# KiCad board 2000ATX.kicad_pcb (continued)
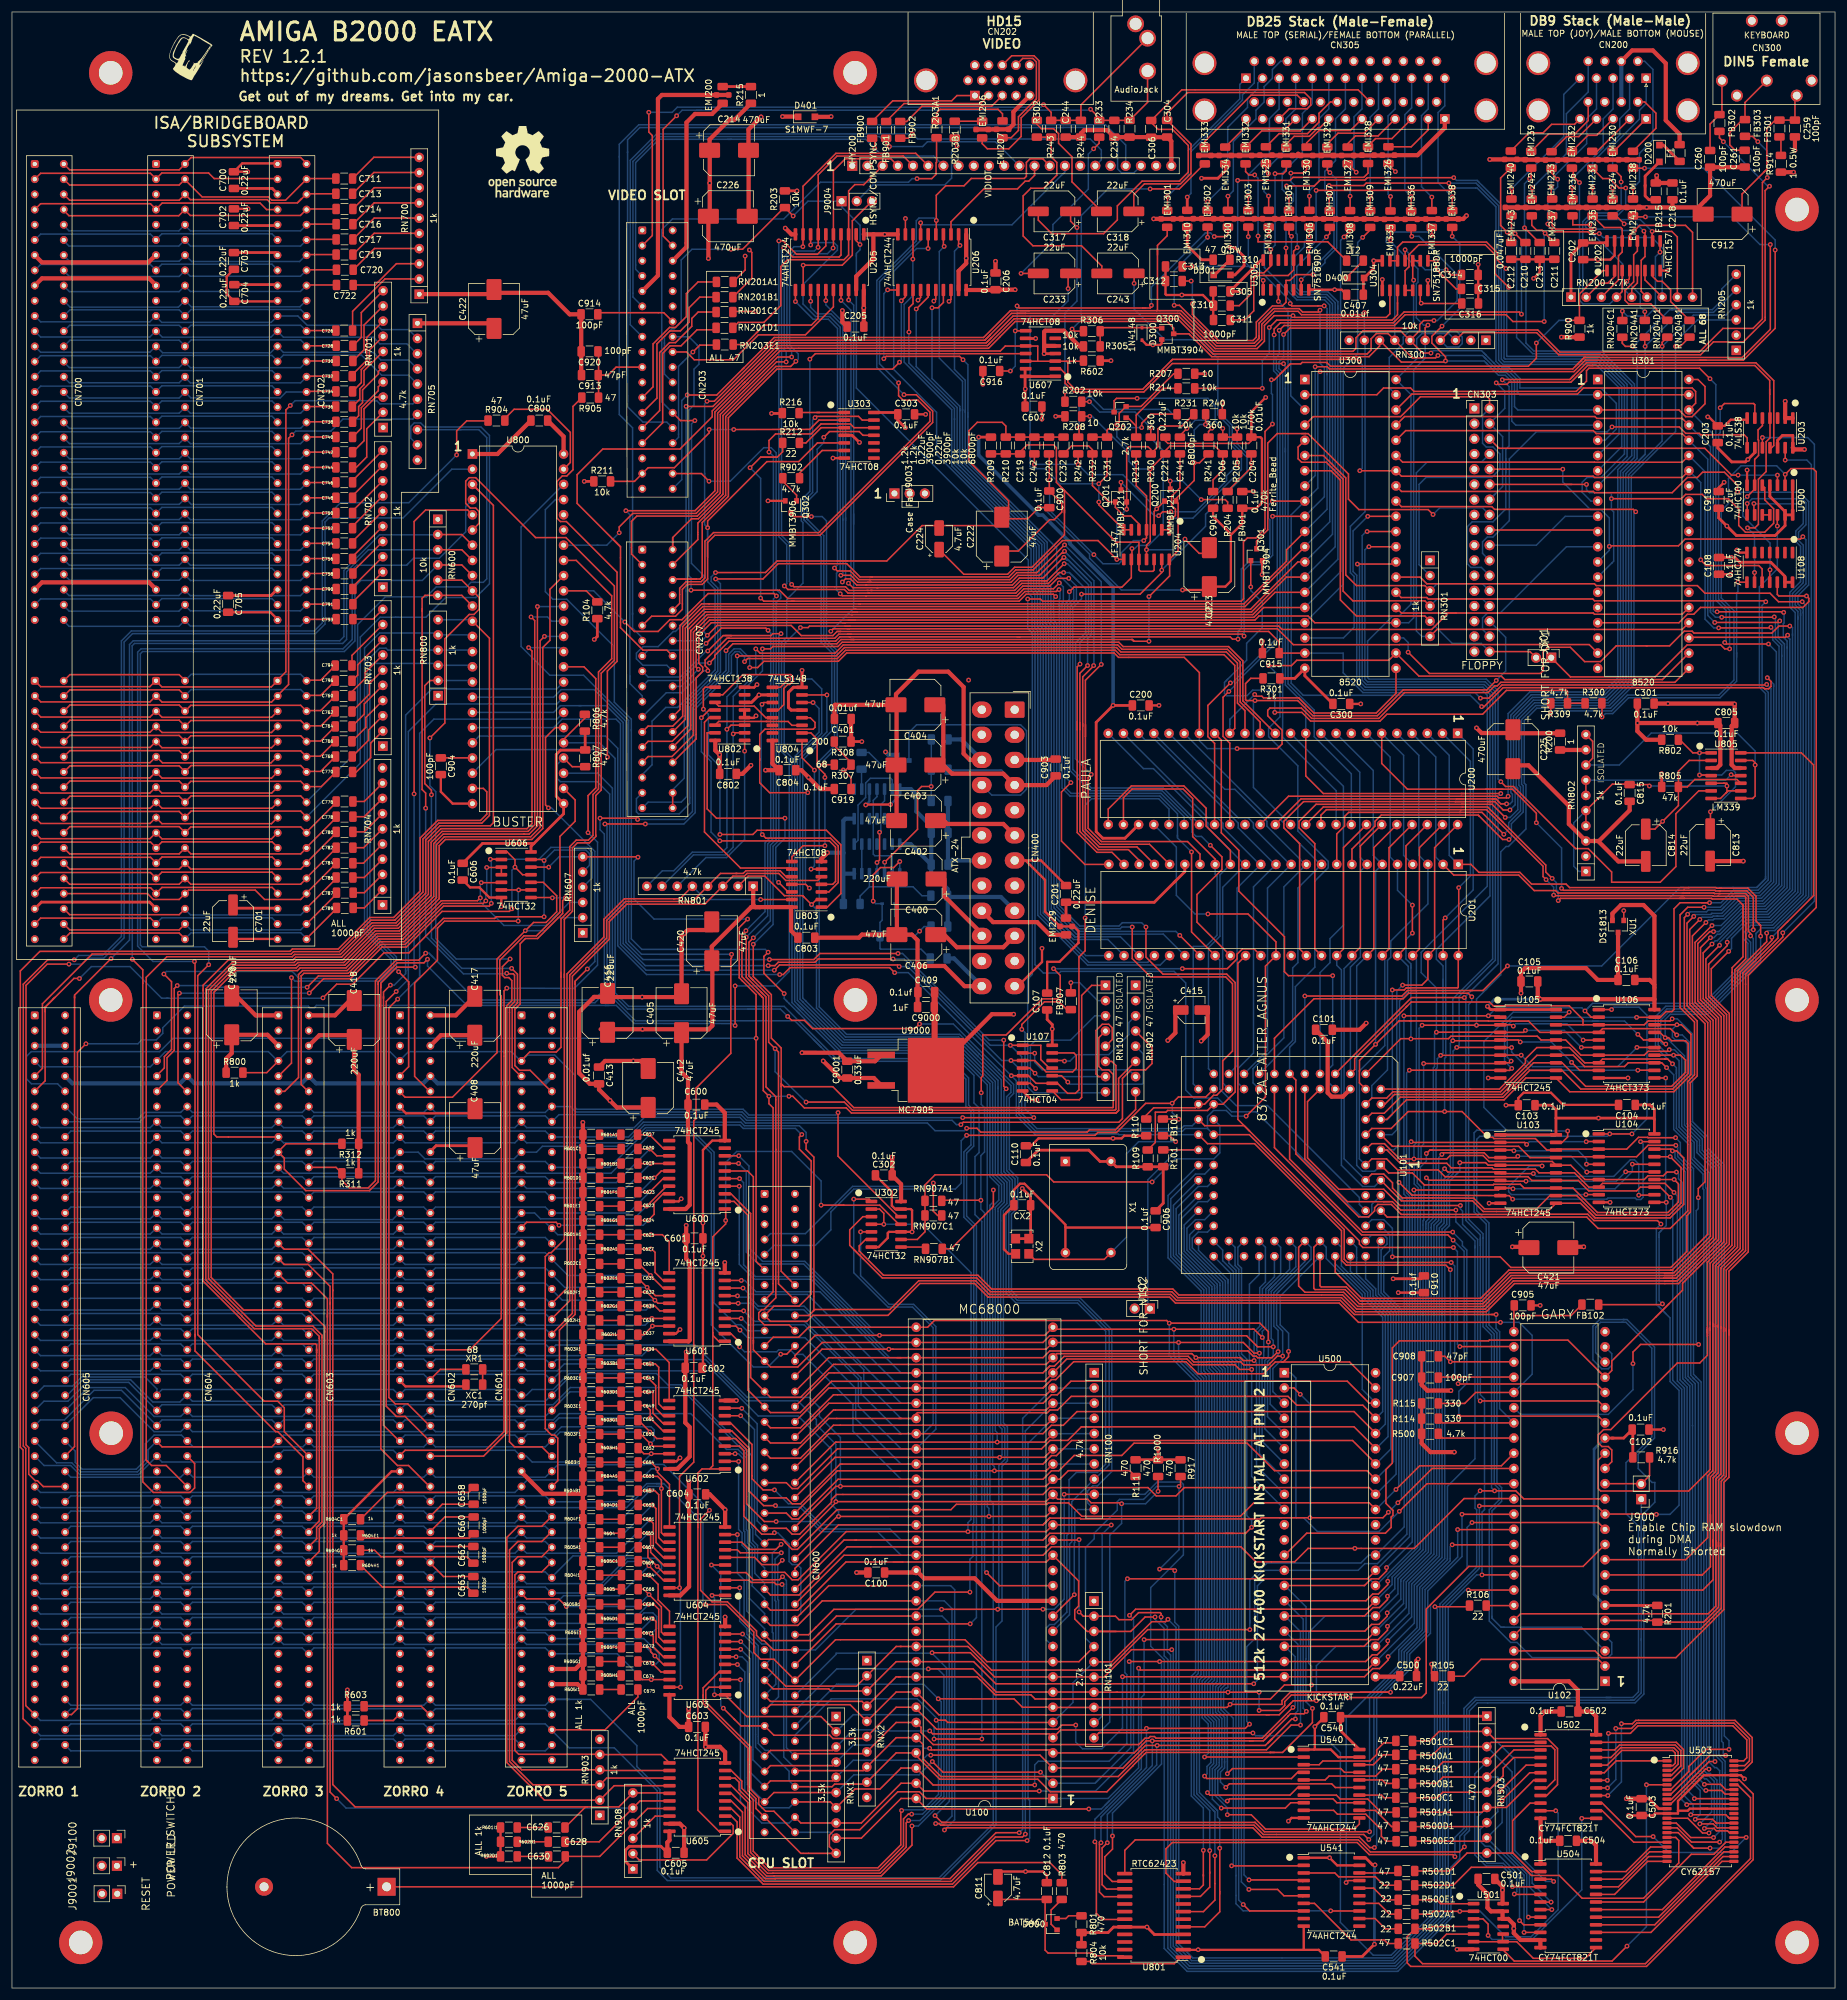
[diagram p0: board, top side]
## Routing (per net, layer and track width the routed paths; a pad name or vN(x,y) marks a point on that pad's centre or on a via; arc(x,y) is an arc through that point) (continued)
_DBOE: length 237.8
  Top w0.25: U603.19 v1(111.76,50.27) ; U604.19 v1(111.61,66.88) 111.61,85.49 113.99,87.87 113.99,144.91 114.37,145.29 114.37,150.37 120.18,156.18 120.18,172.02 120.3,172.14 v1(120.3,172.74)
  Bottom w0.25: v1(111.76,50.27) 111.76,66.73 v1(111.61,66.88) ; v1(120.3,172.74) 105.26,172.74 103.1,174.9 103.1,211.84 95.58,219.36 89.93,219.36 85.12,224.17 85.12,244.14 U800.46
_DKRD: length 86.5
  Top w0.25: v1(248.16,218.49) 246.58,216.92 232.59,216.92 228.28,212.61 217.49,212.61 214.96,215.14 v1(207.82,215.14) 206.38,215.14 206.24,215.27 206.24,217.98 207.11,218.85 R301.2
  Bottom w0.25: CN303.30 249.73,225.7 249.73,220.07 v1(248.16,218.49) ; v1(207.82,215.14) 207.56,214.88 207.56,200.62 U200.37
_DKWD: length 217
  Top w0.25: U102.9 279.83,71.58 283.51,75.26 283.51,85.6 284.36,86.46 284.36,110.58 ; 248.48,195.59 249.31,194.77 ; 248.48,195.59 256.43,187.64 256.43,186.49 v1(257.51,185.42) ; 248.48,195.59 246.72,197.35 242.46,197.35 ; 279.64,182.08 284.17,182.08 284.27,181.98 288.39,181.98 289.41,180.96 ; 279.64,182.08 278.8,182.08 ; 279.64,182.08 258.89,182.08 v1(258.52,181.71) ; 284.36,110.58 284.36,111.1 ; 284.36,110.58 284.36,120.91 287.56,124.11 287.58,168.1 ; 289.41,180.96 289.41,172.32 287.59,170.5 287.59,169.74 287.58,169.72 287.58,168.1 ; 289.41,180.96 289.41,177.7 ; 242.46,197.35 242.6,197.35 ; 242.46,197.35 219.25,197.35 U200.38 ; 287.58,168.1 287.58,168.66
  Bottom w0.25: v1(258.52,181.71) 258.52,183.23 258.21,183.54 258.21,184.72 v1(257.51,185.42)
_DTACK: length 433.5
  Top w0.25: 124.03,57.26 124.03,59.49 119.44,64.08 v1(115.93,64.08) ; 124.03,57.26 124.03,56.9 ; 124.03,57.26 124.03,56.07 125.16,54.94 127.39,54.94 CN600.66 137.69,58.2 159.34,58.2 163.01,54.53 U100.10 178.38,54.53 RN101.4 ; v1(237.91,63.72) 243.49,63.72 R106.1 ; v1(191.87,70) 194.16,70 v1(194.41,69.75) ; R917.2 195.38,84.07 v1(195.12,83.82)
  Bottom w0.25: 237.85,63.78 v1(237.91,63.72) 238.3,63.33 238.3,12.56 230.77,5.04 212.33,5.04 197.4,5.04 ; 107.77,84.28 106.12,84.28 103.09,81.25 90.14,81.25 89.16,82.23 70.8,82.23 69.82,81.25 68.84,82.23 50.48,82.23 49.5,81.25 48.52,82.23 30.16,82.23 29.18,81.25 28.2,82.23 9.84,82.23 8.86,81.25 ; 107.77,84.28 108.84,84.28 ; 107.77,84.28 108.98,84.28 115.53,77.74 115.53,64.48 v1(115.93,64.08) ; v1(191.87,70) 195.12,73.25 v1(195.12,83.82) 191.36,83.82 189.19,81.65 185.17,81.65 184.8,81.27 184.8,79.87 180.95,76.02 180.95,75.08 179.48,73.62 179.48,58.46 RN101.4 ; 197.4,5.04 195.08,7.36 195.08,60.45 194.41,61.11 v1(194.41,69.75) ; 197.4,5.04 196.3,6.14
_EBG1: length 238.1
  Top w0.25: 8.86,83.79 5.24,83.79 4.26,84.77 3.89,84.77 2.8,85.86 2.8,90.31 2.35,90.76 2.35,167.55 5.89,171.09 v1(9.53,171.09)
  Bottom w0.25: U800.2 73.53,253.8 65.4,245.66 53.03,245.66 52.34,244.97 52.34,227.93 50.73,226.32 20.15,226.32 18.75,224.92 18.75,175.49 15.35,172.09 12.65,172.09 11.65,171.09 v1(9.53,171.09)
_EBG2: length 223.3
  Top w0.25: 22.77,87.89 22.45,88.22 ; 22.45,88.22 23.35,87.31 25.79,87.31 CN604.64 ; 22.45,88.22 22.45,168.89 25.89,172.33 46.86,172.33 47.25,172.71 54.92,172.71 60.19,177.99 64.21,177.99 69.16,182.94 69.16,191.82 71.55,194.21 79.98,194.21 80.49,194.72 80.49,247.75 U800.3 78.11,250.13
_EBG3: length 232
  Top w0.25: 30.61,108.86 30.61,109.18 ; 30.61,109.18 30.61,106.45 44.08,92.97 44.44,92.97 48.65,88.77 48.65,84.77 CN603.64 ; 30.61,109.18 30.61,171.44
  Bottom w0.25: 65.97,237.75 57.65,237.75 56.88,236.98 56.88,225.32 55.34,223.78 21.57,223.78 21.01,223.22 21.01,174.11 23.58,171.54 v1(30.51,171.54) ; 65.97,237.75 67.14,238.92 71.45,238.92 75.86,243.34 75.86,247.59 U800.4 ; 65.97,237.75 66.27,238.05
_EBG4: length 181.4
  Top w0.25: 69.82,83.79 66.3,87.31 64.45,87.31 61.67,90.1 61.67,167.18 ; v1(67.23,199.54) 67.23,245.06 69.15,246.98 76.19,246.98 U800.5 ; 61.67,167.18 61.67,167.92 64.33,170.59 v1(67.44,170.59) ; 61.67,167.18 61.67,167.72
  Bottom w0.25: v1(67.23,199.54) 67.23,170.79 v1(67.44,170.59)
_EBG5: length 201.7
  Top w0.25: 92.35,168.88 92.35,169.44 ; 92.35,168.88 92.35,125.06 90.16,122.87 89.8,122.87 89.16,122.24 89.16,93.48 89.64,93.01 89.64,92.98 90.22,92.39 90.74,92.39 91.25,91.89 91.25,84.77 CN601.64 ; 92.35,168.88 92.35,178.57 93.71,179.93 93.71,190.54 94.53,191.36 96.55,191.36 97.6,192.41 97.6,192.65 ; U800.6 78.11,244.76 78.11,246.72 77.53,247.3 76.62,247.3 75.86,248.06 75.86,251.8 76.45,252.38 77.53,252.38 87.54,242.37 92.62,242.37 100.72,234.27 100.72,221.9 98.51,219.7 98.51,200.18 97.6,199.26 97.6,192.65 ; 97.6,192.65 97.6,192.45
_EBR1: length 212.8
  Top w0.25: RN600.2 75.21,242.87 U800.7 ; 8.86,88.87 10.46,90.47 10.46,165.46 ; 10.46,165.46 10.46,165.74 ; 10.46,165.46 10.46,165.91 v1(16.56,172.01)
  Bottom w0.25: 71.2,243.59 70.44,242.83 61.46,242.83 55.5,236.87 55.5,225.82 54.81,225.13 20.28,225.13 19.65,224.5 19.65,175.12 v1(16.56,172.01)
_EBR2: length 227.4
  Top w0.25: RN600.3 75.21,240.33 U800.8 ; 21.87,167.87 21.87,168.4 ; 21.87,167.87 21.87,84.58 23.63,82.81 29.78,82.81 30.54,83.57 30.54,87.65 CN604.60 ; 21.87,167.87 21.87,170.15 v1(20.12,171.91)
  Bottom w0.25: v1(20.12,171.91) 20.1,224.29 20.49,224.68 55.28,224.68 55.95,225.34 55.95,236.68 59.6,240.33 RN600.3
_EBR3: length 222.4
  Top w0.25: RN600.4 75.21,237.79 U800.9 ; v1(32.89,170.99) 31.06,169.16 31.06,109.18 42.18,98.05 44.44,98.05 45.53,96.97 45.53,92.97 CN603.60
  Bottom w0.25: v1(32.89,170.99) 32.89,173.28 32.18,173.99 21.77,173.99 21.46,174.29 21.46,222.96 21.83,223.33 55.56,223.33 57.33,225.1 57.33,234.19 58.35,235.21 68.61,235.21 RN600.4
_EBR4: length 178.9
  Top w0.25: 69.82,88.87 78.84,88.87 82.73,92.76 82.73,150.88 82.73,164.16 83.57,165 83.57,168.35 83.08,168.85 82.38,168.85 82,169.22 82,170.67 v1(83.29,171.96) ; v1(69.88,208.89) 72.37,211.39 72.37,225.45 76.45,229.52 77.24,229.52 78.11,230.4 78.11,232.35 U800.10 75.21,235.25 RN600.5
  Bottom w0.25: v1(69.88,208.89) 69.88,200.89 70.85,199.91 70.85,175.37 74.27,171.96 v1(83.29,171.96)
_EBR5: length 170.3
  Top w0.25: 82.83,169.47 83.82,169.47 84.02,169.26 84.02,164.81 83.18,163.97 83.18,162.97 83.18,91.28 84.02,90.43 88.58,90.43 90.14,88.87 ; 68.57,230.09 68.57,200.27 69.16,199.67 v1(69.16,197.15) ; 68.57,230.09 68.57,230.48 ; 68.57,230.09 68.57,232.22 69.06,232.71 RN600.6 75.21,232.71 U800.11
  Bottom w0.25: v1(69.16,197.15) 69.16,175.79 75.49,169.47 82.83,169.47
  vias: v1(82.73,169.57)
_EC1: length 200.8
  Top w0.25: RN902.4 190.6,157.18 190.6,154.48 189.54,153.42 187.08,153.42 185.66,152.01 185.66,145.28 185.06,144.67 159.05,144.67 v1(158.65,144.27)
  Bottom w0.25: 8.86,144.75 21.41,144.75 22.39,145.73 28.2,145.73 29.18,144.75 30.16,145.73 48.52,145.73 49.5,144.75 50.48,145.73 68.84,145.73 69.82,144.75 70.8,145.73 89.16,145.73 90.14,144.75 ; v1(158.65,144.27) 157.9,144.27 157.18,144.99 122.83,144.99 121.88,145.94 91.46,145.94 CN601.16
_EC3: length 193.5
  Top w0.25: v1(168.83,160.2) 168.83,161.02 172.61,164.8 175.06,164.8 176.36,163.5 FB907.1 ; v1(158.95,145.44) v1(170.84,145.44)
  Bottom w0.25: 168.81,160.22 v1(168.83,160.2) 169.37,159.66 169.37,146.91 v1(170.84,145.44) ; 8.86,147.29 10.92,145.24 21.11,145.24 22.18,146.31 28.2,146.31 29.18,147.29 30.16,146.31 48.52,146.31 49.5,147.29 50.48,146.31 68.84,146.31 69.82,147.29 70.8,146.31 89.16,146.31 90.14,147.29 ; CN601.14 93.37,147.29 94.27,146.39 122.06,146.39 123.02,145.44 v1(158.95,145.44)
_EINT1: length 401.2
  Top w0.25: 90.14,43.15 99.16,43.15 104.65,48.64 C675.2 ; 132.22,182.51 132.38,182.35 ; 132.38,182.35 v1(133.68,181.05) 134.52,181.89 U803.2 ; 132.38,182.35 132.2,182.53 129.15,182.53 125.88,185.8 123.09,185.8 RN801.2
  Bottom w0.25: v1(133.68,181.05) 134.51,180.22 134.51,173.21 ; 161.5,155.67 161.52,155.67 ; 161.5,155.67 158.26,158.91 ; 161.5,155.67 158.26,158.91 ; 161.5,155.67 161.52,155.67 ; 161.52,155.67 165.4,151.79 165.4,136.22 166.8,134.82 166.8,130.92 165.75,129.87 165.75,94.45 166.43,93.77 166.43,88.1 165.53,87.19 165.53,61.34 164.52,60.32 164.52,27.28 155.2,17.96 109.58,17.96 107.88,19.65 107.88,32.96 100.7,40.14 93.16,40.14 89.16,44.13 70.8,44.13 69.82,43.15 68.84,44.13 50.48,44.13 49.5,43.15 48.52,44.13 30.16,44.13 29.18,43.15 28.2,44.13 9.84,44.13 8.86,43.15 ; 134.51,173.21 134.51,173.46 ; 134.51,173.21 134.51,163.76 139.36,158.91 158.26,158.91
_EINT4: length 197.1
  Top w0.25: U803.5 134.72,185.07 129.37,185.07 128.19,186.25 122.9,186.25 122.45,185.8 120.55,185.8 RN801.3 118.8,184.1 115.82,181.12 102.78,181.12 99.87,178.2 99.87,175.25 93.7,169.09 93.7,112.75 90.14,109.19
  Bottom w0.25: 8.86,109.19 9.84,110.17 28.2,110.17 29.18,109.19 30.16,110.17 48.52,110.17 49.5,109.19 50.48,110.17 68.84,110.17 69.82,109.19 70.8,110.17 89.16,110.17 90.14,109.19
_EINT5: length 190
  Top w0.25: 121.19,186.25 118.46,186.25 RN801.4 113.77,181.57 102.6,181.57 99.42,178.38 99.42,175.44 93.25,169.28 93.25,114.84 90.14,111.73 ; 121.19,186.25 121,186.25 ; 121.19,186.25 122.27,186.25 122.72,186.7 128.42,186.7 129.42,185.7 U803.10
  Bottom w0.25: 8.86,111.73 9.84,112.71 28.2,112.71 29.18,111.73 30.16,112.71 48.52,112.71 49.5,111.73 50.48,112.71 68.84,112.71 69.82,111.73 70.8,112.71 89.16,112.71 90.14,111.73
_EINT7: length 187.3
  Top w0.25: 110.62,182.02 111.68,182.02 RN801.5 ; 110.62,182.02 110.81,182.02 ; 110.62,182.02 102.39,182.02 98.96,178.59 98.96,175.62 92.8,169.46 92.8,116.93 90.14,114.27 ; U803.13 v1(125.17,181.89)
  Bottom w0.25: 8.86,114.27 9.84,115.25 28.2,115.25 29.18,114.27 30.16,115.25 48.52,115.25 49.5,114.27 50.48,115.25 68.84,115.25 69.82,114.27 70.8,115.25 89.16,115.25 90.14,114.27 ; v1(125.17,181.89) 115.98,181.89 RN801.5
_EXRAM: length 12.9
  Top w0.25: U102.32 239.19,91.9 R500.2
_FIR0: length 141.1
  Top w0.25: 262.87,272.47 289.29,272.47 293.98,277.16 v1(293.98,291.34) ; 262.87,272.47 261.31,270.92 ; 262.87,272.47 263.06,272.47 ; 262.87,272.47 260.95,270.55 220.27,270.55 219.91,270.92 v1(217.88,270.92) ; 271.02,295.93 271.05,295.96 v1(273.1,295.96)
  Bottom w0.25: v1(293.98,291.34) 292.25,291.34 287.63,295.96 v1(273.1,295.96) ; U300.8 217.88,252.73 v1(217.88,270.92)
_FIR1: length 571.5
  Top w0.25: v1(218.69,270.1) 261.14,270.1 263.05,272.02 282.23,272.02 ; 140.14,225.78 138.43,225.78 137.72,225.07 119.89,225.07 117.51,222.69 117.51,222.31 v1(116.61,221.41) ; 140.14,225.78 168.53,225.78 ; 140.14,225.78 139.95,225.78 ; v1(294.79,290.42) 294.79,277.34 289.47,272.02 282.23,272.02 ; v1(280.16,179.43) 279.6,178.87 279.6,163.76 281.76,161.6 281.76,152.41 280.61,151.27 280.61,129.66 280.02,129.07 280.02,123.08 277.36,120.41 250.6,120.41 248.83,122.18 v1(230.79,122.18) ; 168.53,225.78 203.68,225.78 204.06,225.4 v1(204.98,225.4) ; 168.53,225.78 168,225.78 ; 282.23,272.02 283.26,272.02 ; EMI238.2 271.04,304.09 v1(272.95,304.09) ; v1(245.72,214.12) 246.14,214.12 249.3,217.29 292.84,217.29 293.02,217.11 293.72,217.11 294.1,217.48 294.1,218.33 v1(293.47,218.95) ; U300.9 v1(210.72,248.46)
  Bottom w0.25: v1(230.79,122.18) 230.79,126.95 229.35,128.39 227.35,128.39 U101.78 ; 285.8,180.14 286.26,180.6 ; 285.8,180.14 286.26,180.6 ; 285.8,180.14 283.62,180.14 283.31,179.83 280.57,179.83 v1(280.16,179.43) ; 286.26,180.6 288.21,182.55 292.3,182.55 294.54,184.78 294.54,217.53 ; v1(294.79,290.42) 294.79,292.1 282.8,304.09 v1(272.95,304.09) ; 112.92,219.6 111.8,218.49 106.36,218.49 CN207.19 ; 112.92,219.6 112.56,219.24 ; 112.92,219.6 114.73,221.41 v1(116.61,221.41) ; 294.54,217.53 294.54,217.89 v1(293.47,218.95) ; 294.54,217.53 294.54,217.74 ; v1(245.72,214.12) 243.83,216.02 215.89,216.02 213.87,218.04 213.87,246.18 U300.9 218.33,250.64 218.33,269.74 v1(218.69,270.1) ; v1(210.72,248.46) 210.04,247.79 210.04,245.58 210.32,245.31 210.32,239.63 209.65,238.96 209.65,238.94 209.01,238.3 206.72,238.3 205.54,237.12 205.54,227.24 204.98,226.67 v1(204.98,225.4)
_GBG: length 313.1
  Top w0.25: 76.53,200.46 U800.23 78.82,200.46 79.38,199.89 79.38,196.15 78.34,195.11 71.18,195.11 68.26,192.19 68.26,183.33 63.83,178.89 59.82,178.89 54.56,173.63 46.89,173.63 46.49,173.23 4.7,173.23 ; 3.73,43.13 1.85,45.01 1.85,89.91 1.4,90.37 1.4,169.95 4.65,173.2
  Bottom w0.25: 85.06,43.15 84.08,42.17 65.72,42.17 64.74,43.15 63.76,42.17 45.4,42.17 44.42,43.15 43.44,42.17 25.08,42.17 24.1,43.15 23.12,42.17 4.76,42.17 3.78,43.15
_HLT: length 414.7
  Top w0.25: 148.93,71.19 139.43,71.19 131.38,63.14 126.81,63.14 CN600.55 ; 148.93,71.19 147.34,71.19 ; 148.93,71.19 172.92,71.19 U100.17 178.33,68.02 178.33,63.84 177.68,63.19 177.68,61.67 179.77,59.59 RN101.3 ; v1(243.48,66.5) U102.42 ; RN101.3 187.05,59.59 189.46,62 v1(191.11,62) ; RN101.3 184.56,59.59
  Bottom w0.25: 85.76,94.65 85.06,93.95 84.08,94.93 65.72,94.93 64.74,93.95 63.76,94.93 45.4,94.93 44.42,93.95 43.44,94.93 25.08,94.93 24.1,93.95 24.1,94.41 ; 85.76,94.65 86.04,94.93 ; 85.76,94.65 86.06,94.95 90.5,94.95 91.54,95.99 113.48,95.99 119.46,90.01 121.38,90.01 122.79,88.6 122.79,76.6 122.97,76.42 122.97,74.37 123.75,73.59 123.75,67.2 125.83,65.12 CN600.55 ; 3.78,93.95 4.76,94.93 8.78,94.93 13.73,99.88 18.31,99.88 CN604.55 ; v1(191.11,62) 191.11,61.62 192.64,60.09 192.64,55.5 193.26,54.88 193.26,6.63 196.66,3.24 231.51,3.24 240.13,11.85 240.13,63.65 242.98,66.5 v1(243.48,66.5)
_HSYNC: length 287.2
  Top w0.25: v1(130.61,296.11) 129.24,297.48 R203.1 129.11,297.51 122.15,290.55 v1(120.22,290.55) ; U205.2 141.15,291.98 v1(141.79,291.34)
  Bottom w0.25: U101.81 227.35,130.93 227.35,129.4 226.81,128.86 225.57,128.86 209.8,144.63 ; 109.09,274.85 109.09,274.94 ; 109.09,274.85 109.09,269.68 CN203.22 ; 109.09,274.85 109.09,276 110.35,277.26 110.71,277.26 111.89,278.45 111.89,288.75 113.69,290.55 v1(120.22,290.55) ; 141.17,289.41 141.17,289.66 ; 141.17,289.41 141.17,267.37 169.93,238.62 169.93,233.08 170.55,232.45 170.55,227.09 171.04,226.59 171.04,171 172.44,169.61 175.08,169.61 175.36,169.88 194.3,169.88 196.24,167.94 196.24,150.05 197.58,148.71 201.59,148.71 203.88,146.42 208.01,146.42 209.8,144.63 ; 141.17,289.41 141.17,289.85 141.79,290.47 v1(141.79,291.34) 141.79,294.57 138.7,297.66 J9004.1 133.08,298.58 v1(130.61,296.11) ; 209.8,144.63 209.4,145.03
_INDEX: length 86.9
  Top w0.25: U301.24 279.24,227.02 264.59,227.02 264.57,227.03 238.26,227.03 RN301.6
  Bottom w0.25: RN301.6 235.71,225.86 234.8,226.77 234.8,253.19 236.58,254.97 245.68,254.97 CN303.8
_INT2: length 477.4
  Top w0.25: R312.2 45.82,141.07 44.42,139.67 ; v1(69.47,171.91) 68.87,171.31 64.42,171.31 61.22,168.11 61.22,167.74 ; 61.22,167.74 61.22,167.9 ; 61.22,167.74 61.22,134.7 59.77,133.25 49.12,133.25 45.53,136.84 45.53,138.69 CN603.19 ; U300.21 231.39,216.36 228.09,213.06 217.68,213.06 215.15,215.59 209.24,215.59 208.96,215.86 208.06,215.86 v1(207.77,216.15) ; v1(122.48,221.64) 122.99,222.15 137.98,222.15 139.36,223.53 184.47,223.53 185.2,222.8 202.65,222.8 204.44,221.01 204.44,210.49 U200.16 ; v1(105.89,194.51) v1(99.14,194.51)
  Bottom w0.25: 3.78,139.67 4.76,138.69 23.12,138.69 24.1,139.67 25.08,138.69 43.44,138.69 44.42,139.67 45.4,138.69 63.76,138.69 64.74,139.67 67.92,139.67 69.03,138.56 83.95,138.56 85.06,139.67 87.7,139.67 88.68,140.65 102.81,140.65 105.92,143.77 113.28,143.77 117.39,139.66 117.39,114.47 121.02,110.84 121.88,110.84 122.88,109.84 CN600.19 ; v1(105.89,194.51) 112.34,194.51 114.22,196.4 114.22,213.74 120.28,219.8 120.28,222.67 120.91,223.3 120.91,223.32 121.61,223.32 122.48,222.45 v1(122.48,221.64) ; 203.61,211.99 203.61,211.18 ; 203.61,211.18 203.61,211.99 v1(207.77,216.15) ; 203.61,211.18 U200.16 ; v1(69.47,171.91) 69.47,170.79 75.62,164.64 97.46,164.64 99.48,166.67 99.48,194.17 v1(99.14,194.51)
_INT3: length 72.6
  Top w0.25: U200.17 202.19,208.53 202.19,193.03 205.12,190.1 205.12,183.29 212.74,175.67 212.74,169.83 213.41,169.16 v1(220.81,169.16)
  Bottom w0.25: v1(220.81,169.16) 220.81,154.24 220.2,153.62 220.2,151.25 U101.17
_INT6: length 519.8
  Top w0.25: CN603.22 54.18,137.13 R311.2 55.17,134.94 56.41,133.7 59.56,133.7 60.77,134.91 60.77,168.29 64.23,171.76 68,171.76 v1(69.16,172.92) ; v1(123.34,220.65) 124.66,220.65 125.71,221.7 138.17,221.7 139.55,223.08 184.28,223.08 185.01,222.35 195.98,222.35 198.53,219.81 U200.18 ; v1(104.6,195.28) 104.39,195.48 v1(98.32,195.48) ; v1(128.53,105.92) 129.53,105.92 CN600.22 ; v1(204.83,207.11) 211.58,207.11 212.35,207.88 212.35,210.19 209.95,212.59 209.95,213.51 210.33,213.88 215.58,213.88 217.31,212.16 228.51,212.16 232.82,216.47 246.77,216.47 247.89,217.59 248.33,217.59 248.93,218.19 278.03,218.19 U301.21
  Bottom w0.25: v1(69.16,172.92) 69.73,172.92 ; 69.73,172.92 77.56,165.09 97.27,165.09 99.03,166.85 99.03,192.84 98.32,193.55 v1(98.32,195.48) ; 69.73,172.92 70.49,172.17 ; v1(104.6,195.28) 112.46,195.28 113.77,196.58 113.77,213.92 119.83,219.98 119.83,222.88 120.73,223.77 121.79,223.77 123.34,222.23 v1(123.34,220.65) ; v1(128.53,105.92) 126.39,103.78 123.95,103.78 116.94,110.79 116.94,139.48 113.1,143.32 106.1,143.32 99.92,137.13 90.14,137.13 89.16,138.11 70.8,138.11 69.82,137.13 68.84,138.11 50.48,138.11 49.5,137.13 48.52,138.11 30.16,138.11 29.18,137.13 28.2,138.11 9.84,138.11 8.86,137.13 ; v1(204.83,207.11) 199.85,207.11 198.53,208.43 U200.18
_IPL0: length 215.8
  Top w0.25: v1(129.87,218.74) 128.47,217.35 U804.9 ; U100.25 172.63,91.22 v1(164.73,91.22) 137.69,91.22 CN600.40
  Bottom w0.25: U100.25 180.45,92.63 ; v1(164.73,91.22) 164.73,92.79 164.4,93.12 164.4,130.11 164.4,130.43 165.45,131.48 165.45,134.26 163.95,135.76 163.95,151.31 157.7,157.56 138.8,157.56 131.31,165.05 131.31,205.59 135.38,209.66 135.38,217.09 133.73,218.74 v1(129.87,218.74)
_IPL1: length 212.5
  Top w0.25: 147.51,88.68 v1(165.13,88.68) 172.63,88.68 U100.24 ; 147.51,88.68 137.62,88.68 130.91,81.97 CN600.42 ; 147.51,88.68 147.44,88.68 ; U804.7 v1(136.25,216.08)
  Bottom w0.25: U100.24 180.39,90.09 ; v1(165.13,88.68) 165.53,89.08 165.53,93.39 164.85,94.07 164.85,129.8 164.85,130.25 165.9,131.29 165.9,134.45 164.4,135.94 164.4,151.49 157.89,158.01 138.99,158.01 132.25,164.75 132.25,164.76 131.76,165.24 131.76,205.4 136.25,209.89 v1(136.25,216.08)
_IPL2: length 213.9
  Top w0.25: 148.47,86.43 v1(164.25,86.43) 172.92,86.43 U100.23 ; 148.47,86.43 147.25,86.43 ; 148.47,86.43 137.98,86.43 CN600.44 ; U804.6 v1(133.93,214.81)
  Bottom w0.25: U100.23 180.39,87.55 ; 132.23,163.5 130.86,164.86 130.86,205.78 134.93,209.85 134.93,213.81 v1(133.93,214.81) ; 132.23,163.5 138.62,157.11 157.51,157.11 163.5,151.12 163.5,135.57 165,134.08 165,131.66 163.95,130.62 163.95,87.43 164.25,87.13 v1(164.25,86.43) ; 132.23,163.5 132.06,163.66 ; 132.06,163.66 131.71,164.02 ; 132.06,163.66 131.35,164.38
_KBCLK: length 254.5
  Top w0.25: RN300.3 242.63,276.61 254.91,276.61 258.6,272.92 282.32,272.92 284.47,275.07 289.48,275.07 293.11,278.71 293.11,279.19 293.11,300.35 v1(293.85,301.08) ; FB302.2 285.48,309.17 v1(286.13,308.52) ; v1(248.92,201.57) 249.72,200.78 251.04,200.78 261.42,190.4 263.54,190.4 267.45,186.49 267.45,184.78 275.58,184.78 278.19,187.39 278.19,196.22 282.01,200.05 U805.6
  Bottom w0.25: v1(286.13,308.52) 293.57,301.08 v1(293.85,301.08) ; RN300.3 240.23,276.46 235.73,276.46 234.86,275.59 234.86,272.24 U300.40 233.9,266.28 233.9,231.23 231.93,229.27 230.84,229.27 226.64,225.07 226.64,218.98 226.9,218.72 246.51,218.72 248.46,216.77 248.46,215.17 248.46,202.04 v1(248.92,201.57)
_KBRST: length 182.1
  Top w0.25: U805.14 299.18,206.4 301.21,204.37 301.21,182.54 296.88,178.21 296.87,178.21 295.25,176.59 295.25,175.44 289.39,169.59 289.39,123.39 286.16,120.16 286.16,109.74 ; 283.11,61.42 283.34,61.65 ; 283.34,61.65 282.82,61.13 R201.2 274.8,61.42 U102.5 ; 283.34,61.65 285.31,63.63 285.31,73.78 ; 285.31,73.78 285.31,74.52 ; 285.31,73.78 285.31,73.93 285.31,84.86 286.16,85.71 286.16,109.74 ; 286.16,109.74 286.16,110.35
_LATCH: length 54.1
  Top w0.25: v1(275.95,114.33) 275.82,114.2 FB102.1 ; U106.11 v1(276.48,152.07) ; U104.11 v1(276.58,131.29)
  Bottom w0.25: 275.76,126.58 276.58,127.41 v1(276.58,131.29) 276.48,131.39 v1(276.48,152.07) ; 275.76,126.58 275.44,126.26 ; 275.76,126.58 275.38,126.21 275.38,125.44 ; 275.38,125.95 275.38,125.44 ; 275.38,125.44 275.38,114.89 v1(275.95,114.33)
_LDS: length 325.6
  Top w0.25: v1(149.91,27.99) 149.5,27.58 149.5,23.55 145.15,19.19 127.24,19.19 127.22,19.17 126.33,19.17 123.03,22.46 123.03,31.03 120.25,33.81 U605.7 ; 184.81,49.43 RN101.7 180.87,49.45 U100.8 164.57,49.45 164.16,49.86 ; 184.81,49.43 v1(203.3,49.43) v1(208.51,49.43) ; 184.81,49.43 184.61,49.43 ; U102.10 262.68,70.45 243.57,70.45 236.45,63.33 236.45,49.3 235.69,48.54 v1(223.37,48.54) 222.95,48.96 213.9,48.96 212.79,47.85 212.79,47.21 211.96,46.38 v1(208.51,46.38) ; 164.16,49.86 160.7,53.32 v1(153.21,53.32) ; 164.16,49.86 164.03,49.99
  Bottom w0.25: 174.07,49.43 U100.8 ; CN600.70 137.9,53.32 v1(153.21,53.32) 154.78,53.32 155.81,52.29 155.81,31.99 151.81,27.99 v1(149.91,27.99) ; v1(203.3,49.43) 203.74,49.87 203.74,103.9 202.87,104.78 202.87,118.15 197.34,123.68 197.34,125.31 198.34,126.32 199.88,126.32 U101.52 ; v1(208.51,49.43) v1(208.51,46.38)
_LED: length 254.5
  Top w0.25: 169.49,279.84 168.15,279.84 ; 169.49,279.84 195.28,279.84 201.16,273.95 208.16,273.95 209.4,275.18 209.4,277.83 211.02,279.45 v1(214.17,279.45) 214.46,279.16 229.77,279.16 230.38,279.77 U304.2 ; 169.49,279.84 167.11,279.84 163.58,276.3 ; 163.58,276.3 163.58,276.25 162.68,275.35 127.62,275.35 117.42,265.15 v1(116.21,265.15) ; 163.58,276.3 162.72,275.44 ; v1(116.31,244.02) 116.31,245.15 126.22,255.07 131.55,255.07 134.67,258.19 U303.5
  Bottom w0.25: v1(116.31,244.02) 116.31,239.01 ; v1(116.31,244.02) 116.31,235 117.55,233.75 117.55,220.25 111.29,213.99 109.31,213.99 107.01,211.69 107.01,204.39 105.38,202.77 ; v1(116.31,244.02) 115.81,244.52 115.81,253.12 ; 115.81,253.12 115.81,264.75 v1(116.21,265.15) ; 115.81,253.12 115.81,252.75 ; v1(214.17,279.45) 213.8,279.07 213.8,266.06 U300.3
_MC1: length 242.3
  Top w0.25: v1(210.74,261.34) 209.5,260.1 209.5,243.84 207.97,242.31 206.55,242.31 205.89,241.66 205.89,232.11 205.53,231.74 172.31,231.74 171.94,232.11 v1(169.82,232.11) ; v1(210.57,268.73) 211.07,268.73 213.74,271.4 ; 212.04,269.7 213.74,271.4 ; 213.74,271.4 215.47,271.4 215.71,271.64 219.89,271.64 219.89,271.56 220.46,271 253.53,271 254.86,272.34 v1(254.86,274.88) ; v1(260.17,278.67) R900.2 262.07,278.67 262.07,283.09 265.96,286.98 U202.1
  Bottom w0.25: v1(210.74,261.34) 210.74,266.27 210.57,266.45 v1(210.57,268.73) ; v1(254.86,274.88) 258.65,278.67 v1(260.17,278.67) ; v1(169.82,232.11) 169.82,227.18 170.59,226.41 170.59,169.37 169.82,168.6 169.82,150.57 170.8,149.59 182.66,149.59 RN102.8
_MTR: length 237.8
  Top w0.25: 285.26,110.46 285.26,110.73 ; 285.26,110.46 285.26,86.09 284.41,85.24 284.41,73.9 ; 285.26,110.46 285.26,120.54 288.49,123.76 288.49,167.69 288.49,169.96 292.95,174.41 ; v1(293.37,176.28) 293.37,174.84 292.95,174.41 ; 284.41,73.9 284.41,68.22 282.69,66.5 U102.7 ; 284.41,73.9 284.41,74.59 ; 284.41,74.59 284.41,74.89 284.41,74.59 ; 292.95,174.41 293.17,174.63 ; U108.12 295.15,232.87 295.4,232.61 v1(300.02,232.61) 300.42,232.21 300.42,231.69 299.44,230.7 282.31,230.7 281.17,229.56 280.12,229.56 278.7,228.14 U301.17
  Bottom w0.25: 295.11,177.08 295.36,177.33 ; 295.36,177.33 300.39,182.36 300.39,232.25 v1(300.02,232.61) ; 295.36,177.33 294.72,176.7 293.54,176.7 293.37,176.53 v1(293.37,176.28)
_OEB: length 165.6
  Top w0.25: v1(260.1,143.21) 260.1,142.23 259.17,141.3 U103.19 ; U105.19 259.51,162.23 v1(260.35,163.07)
  Bottom w0.25: 250.04,143.21 249.89,143.35 244.9,143.35 244.45,142.9 244.45,129.69 246.48,127.66 246.48,110.62 247.82,109.29 247.82,84.21 248.6,83.43 248.6,81.52 246.99,79.91 246.99,61.33 250.56,57.75 251.62,57.75 254.16,55.21 266.88,55.21 267.47,55.8 267.47,57.75 U102.4 ; 250.04,143.21 v1(260.1,143.21) ; 250.04,143.21 246.09,147.16 246.09,158.16 249.25,161.32 ; 249.25,161.32 250.99,163.07 v1(260.35,163.07) ; 249.25,161.32 249.1,161.17
_OEL: length 162.5
  Top w0.25: v1(270.84,142.72) v1(267.13,142.72) U104.1 ; U106.1 v1(267.44,163.5)
  Bottom w0.25: v1(270.84,142.72) 273.35,145.24 273.35,162.56 272.02,163.9 267.84,163.9 v1(267.44,163.5) ; 249.47,60.29 249.08,60.29 ; 249.47,60.29 262.39,60.29 U102.3 ; 249.47,60.29 248.96,60.29 247.44,61.82 247.44,79.72 249.05,81.34 249.05,83.62 248.27,84.4 248.27,109.47 246.93,110.81 246.93,127.85 244.9,129.88 244.9,141.83 245.4,142.32 248.08,142.32 ; v1(267.13,142.72) 266.73,142.32 248.08,142.32 ; 248.08,142.32 247.57,142.32 ; 247.44,61.93 247.44,62.13
_OVR: length 479.6
  Top w0.25: 36.17,142.21 36.17,142.21 ; 36.17,142.21 44.42,142.21 ; 36.17,142.21 34.24,142.21 33.76,142.7 33.76,166.39 37.38,170.01 47.73,170.01 48.18,170.46 55.85,170.46 61.12,175.74 65.15,175.74 71.42,182.02 71.42,190.88 72.47,191.92 86.91,191.92 88.75,193.76 88.75,224.01 89.94,225.2 89.94,233.73 U800.40 ; v1(132.05,142.62) 131.65,142.22 131.65,140.17 133.62,138.2 133.62,115.97 131.59,113.94 127.39,113.94 CN600.17 126.81,111.4 132.9,111.4 133.9,112.4 146.46,112.4 151.79,117.73 160.93,117.73 163.21,115.45 193.53,115.45 194.53,114.46 221.9,114.46 225.12,111.24 v1(248.86,111.24) ; U102.29 244.72,99.52 242.89,97.69 R115.1
  Bottom w0.25: 3.78,142.21 4.76,141.23 23.12,141.23 24.1,142.21 25.08,141.23 43.44,141.23 44.42,142.21 45.4,141.23 63.76,141.23 64.74,142.21 65.72,141.23 84.08,141.23 85.06,142.21 86.04,141.23 102.75,141.23 105.73,144.22 121.69,144.22 122.27,143.64 130.98,143.64 132.02,142.61 ; v1(248.86,111.24) 251.98,111.24 254.16,109.06 254.16,102.57 U102.29